# Altium PCB DoubleMain.PcbDoc (part 3 of 3)
Units mm, origin at the board's own origin, x right, y up, seen from the top; angles counter-clockwise.
Board outline 152.4 x 101.6 mm, 2 copper layers (Top Layer, Bottom Layer); 202 components, 0 nets, 741 pads, 650 vias.
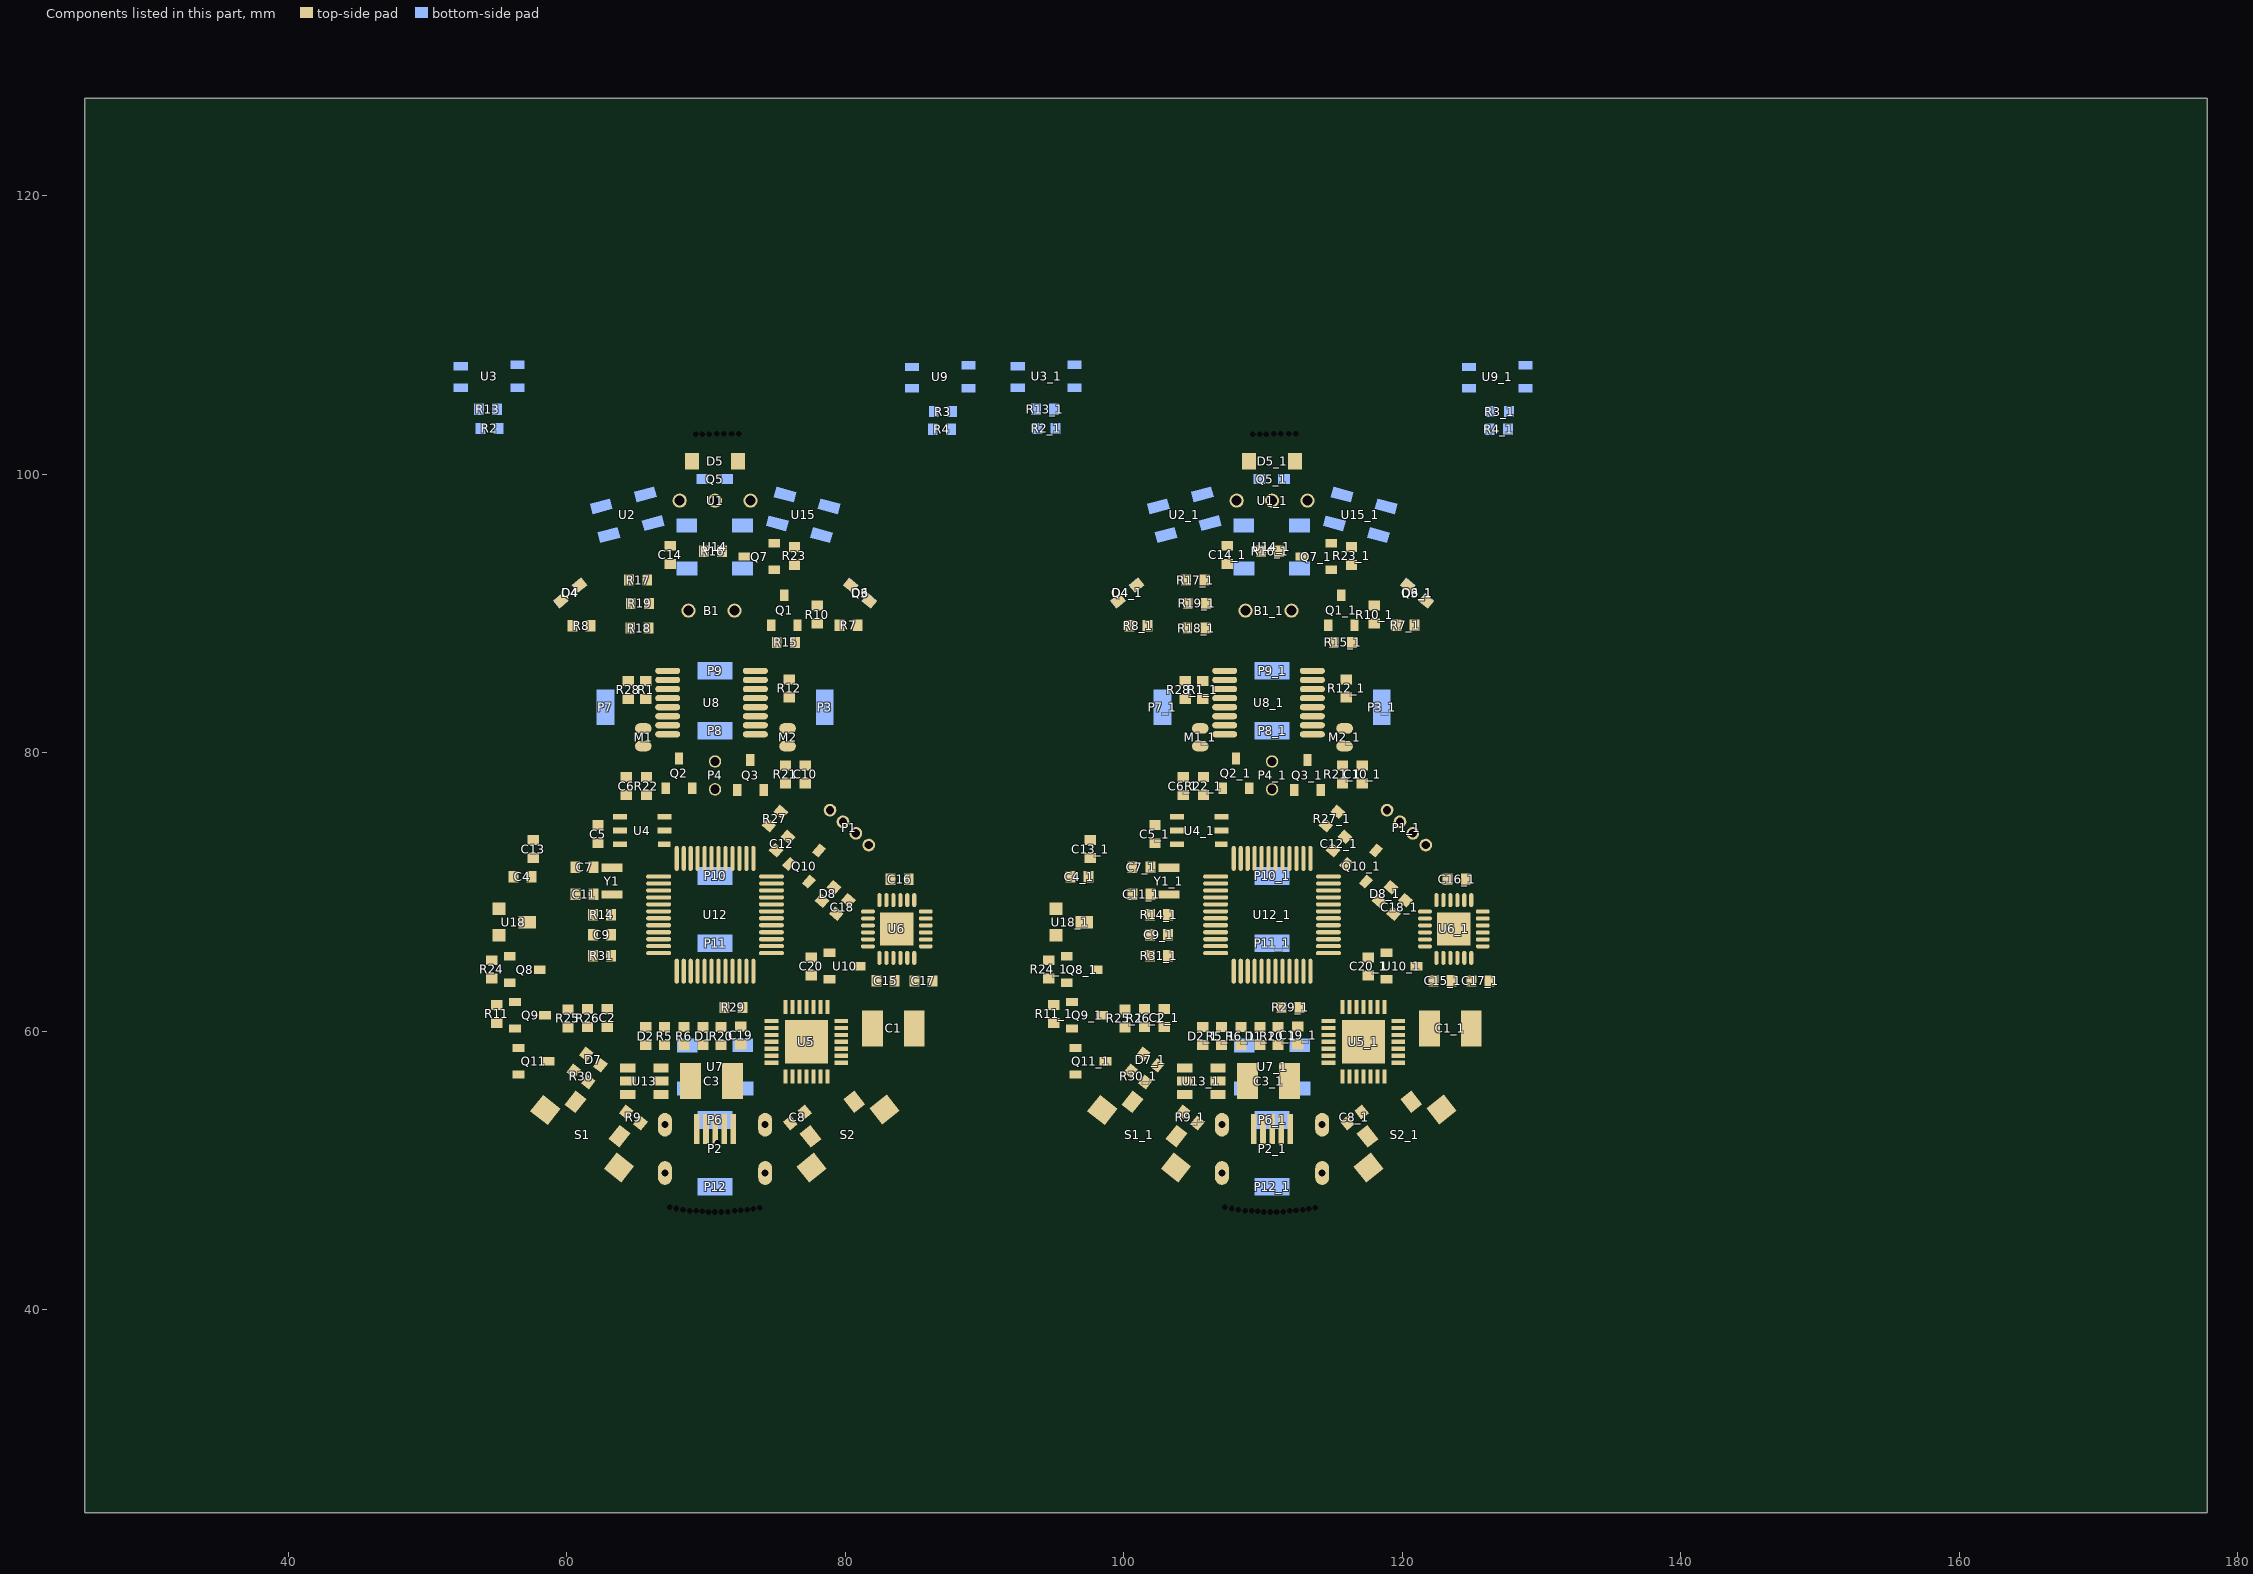
[diagram p3: the components of this part, seen from the top]

## Via types
v1: diameter 0.406, hole 0.254, Top Layer to Bottom Layer, 332 vias
v2: diameter 0.4, hole 0.254, Top Layer to Bottom Layer, 318 vias

## Nets (pads, with @x,y where several pads share a name; then routed paths per layer and width w, separated by ;. In a path a pad name is that pad's centre, name@x,y a point inside that pad or via, vN(x,y) a via of type N, cw(c..) or ccw(c..) an arc to the next point about the centre after c; other vN are vias at no path point) (continued)
copper on no net: (continued)
  Top Layer w0.508: 55.133,66.883 56.073,67.823 56.073,68.661 56.581,69.169 v1(57.775,69.169) 57.775,70.468 57.363,70.88 57.363,70.979 57.47,71.086 57.597,71.213 57.597,72.431 ; v1(80.686,61.727) 82.103,60.31 cw(c81.97,60.178) 82.158,60.178 ; 95.133,66.883 96.073,67.823 96.073,68.661 96.581,69.169 v1(97.775,69.169) 97.775,70.468 97.363,70.88 97.363,70.979 97.47,71.086 97.597,71.213 97.597,72.431 ; v1(120.686,61.727) 122.103,60.31 cw(c121.97,60.178) 122.158,60.178
  Bottom Layer w0.152: 52.009,106.012 v1(52.009,105.085) ccw(c52.806,105.085) 52.242,104.522 ccw(c52.806,105.085) 52.243,104.521 53.26,103.504 ; 52.692,107.663 52.768,107.739 52.819,107.739 53.752,106.806 cw(c52.917,105.971) 54.098,105.971 cw(c53.384,105.971) 53.889,105.466 ccw(c54.354,105) 53.696,105 53.696,104.653 ; 53.26,103.504 ccw(c53.798,104.043) 53.798,103.282 ; 54.996,104.653 55.416,105.074 v1(56.176,105.074) 56.176,105.937 56.454,106.215 ; 56.454,107.866 ccw(c57.535,107.866) 56.771,107.102 58.593,105.279 58.872,105.279 ccw(c60.346,107.347) 60.346,104.807 cw(c60.346,103.73) 61.107,104.493 ; v1(56.835,65.436) 56.962,65.436 cw(c56.962,64.025) 57.959,65.023 58.207,64.775 cw(c57.41,63.978) 58.537,63.978 58.537,62.276 ccw(c58.695,62.118) 58.472,62.118 58.472,60.635 ccw(c59.724,60.635) 58.545,60.212 ccw(c59.724,60.635) 58.839,59.749 v1(60.112,58.476) ; v1(57.419,56.85) 57.597,56.673 ; 57.572,59.162 v1(58.004,58.73) ; 57.571,59.162 cw(c58.614,60.204) 57.14,60.204 v1(57.14,62.007) cw(c58.612,62.007) 57.571,63.047 v1(58.054,63.531) ; 57.598,56.672 ccw(c58.64,57.715) 58.64,56.241 v1(62.931,56.241) ; v1(59.346,75.345) 61.118,77.117 ccw(c60.48,77.755) 61.382,77.755 cw(c61.957,77.755) 61.483,78.081 cw(c61.957,77.755) 61.55,78.161 61.745,78.356 62.693,79.304 62.693,79.836 cw(c63.593,79.836) 62.957,80.472 63.414,80.93 ; 59.523,73.433 cw(c60.064,73.973) 59.299,73.973 59.299,74.074 cw(c59.907,74.074) 59.477,74.503 63.16,78.186 63.355,78.381 ccw(c62.66,79.075) v1(63.642,79.075) ; 59.523,73.432 ccw(c60.187,74.096) 60.187,73.157 v1(60.628,73.157) ; 59.569,90.908 ccw(c60.05,91.39) 60.05,90.709 v1(61.255,90.709) v1(66.843,90.709) ; v1(59.578,89.261) 60.863,89.261 cw(c60.863,86.721) 62.659,88.517 63.252,87.924 cw(c62.862,87.534) 63.411,87.586 cw(c62.862,87.534) v1(63.414,87.534) ; v1(59.916,74.173) 59.944,74.173 64.593,78.822 ; 61.107,104.492 64.27,101.329 69.04,101.329 69.265,101.554 73.065,101.554 v1(74.538,100.081) ; v1(61.788,92.766) 64.506,92.766 ccw(c64.506,93.563) 65.069,92.999 v1(65.573,93.503) 65.192,93.884 ; v1(61.864,65.994) 63.756,65.994 cw(c63.756,65.532) 63.935,65.958 cw(c63.756,65.532) 64.083,65.859 ccw(c64.416,66.514) 64.336,65.784 ccw(c64.416,66.514) 64.416,65.779 64.76,65.779 ccw(c64.76,66.471) 65.122,65.882 ccw(c64.76,66.471) 65.249,65.982 65.372,66.105 cw(c65.928,65.274) 65.928,66.274 ccw(c65.928,67.5) 66.118,66.289 ccw(c65.928,67.5) 66.796,66.633 v1(67.986,67.823) ; v1(62.017,77.873) 62.949,78.806 ccw(c62.629,79.126) 63.082,79.126 63.082,79.304 cw(c63.691,79.304) 63.26,79.735 63.324,79.798 v1(63.566,80.041) ; 62.47,97.638 62.47,98.839 cw(c63.436,98.839) 62.753,99.522 63.084,99.853 ; 63.084,99.853 cw(c64.187,98.749) 64.187,100.31 65.128,100.31 cw(c65.128,98.315) 66.004,100.107 v1(66.106,100.005) ; 63.414,80.93 ccw(c62.756,81.587) 63.629,81.267 ccw(c62.756,81.587) 63.677,81.453 ccw(c62.756,81.587) 63.686,81.587 63.686,81.872 ; 63.693,81.872 63.693,86.289 67.275,89.87 ccw(c66.477,90.668) 67.605,90.668 67.605,91.598 ccw(c66.564,91.598) 67.596,91.733 ccw(c66.564,91.598) 67.3,92.334 ccw(c66.932,91.966) v1@66.932,92.487 ; v1(64.557,66.325) 64.404,66.477 61.525,66.477 ccw(c61.525,66.13) 61.28,66.375 ccw(c61.433,66.223) 61.217,66.223 61.217,64.291 61.226,64.282 61.226,62.921 61.128,62.823 61.128,62.217 61.179,62.167 61.179,61.778 61.243,61.713 61.243,61.51 61.836,60.918 63.642,59.111 63.862,58.892 cw(c63.472,58.501) 64.023,58.501 ccw(c64.988,58.501) 64.306,57.819 64.336,57.789 ccw(c65.376,58.83) 65.153,57.376 ccw(c65.376,58.83) 65.376,57.358 65.419,57.358 65.436,57.342 65.979,57.342 65.996,57.358 71.339,57.358 71.516,57.181 71.516,55.261 ccw(c71.777,55.261) 71.592,55.078 ccw(c71.899,55.384) 71.899,54.95 72.101,54.95 cw(c72.101,54.288) 72.569,54.756 72.583,54.742 cw(c72.062,54.221) 72.799,54.221 72.799,53.472 ccw(c73.934,53.472) 73.131,52.671 ; 64.593,78.822 ccw(c64.108,79.307) 64.794,79.307 64.794,80.523 ccw(c64.433,80.523) 64.688,80.778 ; v1(64.658,58.552) ccw(c65.333,58.552) 64.75,58.212 ccw(c65.333,58.552) 64.816,58.119 ccw(c65.333,58.552) 64.856,58.075 64.957,57.975 ccw(c65.434,58.452) 65.434,57.777 ccw(c65.878,59.308) 65.878,57.714 73.701,57.714 74.231,58.244 74.231,59.945 73.95,60.225 73.933,60.225 72.863,61.295 72.863,61.811 v1(73.442,62.391) ; v1(64.675,73.341) 64.557,73.223 64.557,72.337 65.141,71.753 65.141,70.973 65.571,70.543 65.571,69.963 65.056,69.449 v2@64.836,69.449 ; 64.688,80.778 64.37,81.096 cw(c65.147,81.872) 64.049,81.872 64.049,86.137 v1@66.97,89.058 ; 64.904,81.065 cw(c66.058,82.217) 64.427,82.217 64.427,86.012 64.554,86.139 64.559,86.139 65.958,87.537 v1(66.204,87.537) ; 64.905,81.064 65.057,80.912 ; v1(64.912,94.773) 64.912,94.558 ccw(c65.866,94.558) 65.191,93.884 ; v2@65.037,70.184 63.378,70.184 cw(c63.378,70.708) 63.008,70.337 cw(c63.492,70.822) 62.807,70.822 62.807,75.849 cw(c63.795,75.849) 63.096,76.548 64.989,78.44 ccw(c64.561,78.868) 65.166,78.868 65.166,78.977 65.17,78.981 65.17,79.307 65.166,79.31 65.166,80.649 ccw(c64.793,80.649) 65.057,80.912 ; v1(65.039,99.675) 65.66,99.054 65.66,98.493 ; v1(65.308,64.506) 65.308,62.705 65.319,62.694 ccw(c65.752,62.694) 65.446,62.388 ccw(c65.752,62.694) 65.752,62.261 70.753,62.261 cw(c70.753,61.827) 71.059,62.134 cw(c70.814,61.888) 71.161,61.888 71.161,61.585 v2(70.779,61.203) ; v1(66.407,64.699) 66.407,62.823 66.614,62.616 70.785,62.616 cw(c70.785,61.402) 70.8,62.616 71.195,62.616 cw(c71.195,62.27) 71.44,62.515 cw(c70.827,61.901) 71.593,62.308 cw(c70.827,61.901) 71.694,61.901 cw(c70.17,61.901) 71.424,61.035 71.327,60.938 cw(c70.78,61.485) 70.905,60.721 70.49,60.721 cw(c70.49,61.15) 70.187,60.847 cw(c70.534,61.194) v1(70.043,61.194) ; v1(66.843,92.487) ccw(c65.678,93.652) 66.932,92.583 ccw(c65.678,93.652) 67.182,92.979 ccw(c65.678,93.652) 67.325,93.652 67.325,98.227 cw(c68.044,98.227) 67.536,98.735 67.706,98.905 cw(c69.502,97.109) 69.502,99.649 69.752,99.649 ; v1(67.097,88.931) 67.757,89.591 ; 67.758,89.591 ccw(c67.267,90.082) 67.96,90.082 67.96,90.749 cw(c68.48,90.749) 68.112,91.116 cw(c68.479,90.749) 68.479,91.267 70.196,91.267 v1(70.653,91.725) ; 68.251,98.238 68.388,98.375 cw(c69.839,96.924) 69.839,98.977 70.78,98.977 ccw(c70.78,99.715) 71.302,99.193 71.321,99.211 ccw(c70.883,99.649) 71.502,99.649 ; 68.622,96.329 68.622,96.755 68.926,97.059 v1(68.926,97.313) ; 68.653,58.979 69.266,58.979 ccw(c69.266,61.519) 70.319,59.208 ccw(c69.266,61.519) 71.062,59.723 71.706,60.367 ccw(c70.752,61.321) 72.101,61.321 72.101,63.746 cw(c72.815,63.746) 72.156,64.022 cw(c72.815,63.746) 72.31,64.252 ccw(c71.303,64.76) 72.431,64.76 v1(72.431,66.553) ; v1(70.145,56.342) 70.17,56.342 70.653,55.86 v1(70.653,55.022) ; v1(70.196,95.357) cw(c72.464,95.357) 70.86,96.961 72.169,98.27 ccw(c71.813,98.626) 72.317,98.626 72.317,100.254 72.007,100.564 v1(70.323,100.564) ; v1(70.892,75.941) 72.649,75.941 v1(72.685,75.977) ; v1(71.669,91.471) 71.486,91.654 cw(c72.7,92.868) 71.162,92.105 cw(c72.7,92.868) 70.983,92.868 70.983,96.039 cw(c71.85,96.039) 71.236,96.652 72.685,98.1 73.193,98.1 ; v1(72.456,70.16) 72.456,70.363 74.285,72.192 74.938,72.192 75.25,71.88 75.25,67.798 75.497,67.551 78.222,67.551 79.068,66.706 79.51,66.706 79.815,67.01 80.856,67.01 81.016,66.85 81.016,65.791 80.102,64.877 79.365,64.877 79.136,64.648 v1(78.933,64.648) ; 72.613,93.641 72.613,93.229 ccw(c73.966,93.229) 73.009,92.272 73.565,91.716 cw(c72.012,90.163) 73.566,91.715 cw(c72.012,90.163) 74.209,90.163 74.209,86.391 72.613,84.795 72.613,79.349 ccw(c73.223,79.349) 72.791,78.918 75.555,76.154 cw(c73.899,74.499) 76.168,75.077 77.089,74.156 cw(c76.646,73.713) 77.273,73.713 77.273,73.078 cw(c76.788,73.078) 77.131,72.735 76.838,72.443 76.838,70.01 cw(c76.434,70.01) 76.72,69.724 ; 73.131,52.67 74.082,51.72 ccw(c75.074,52.712) 75.074,51.309 v1(76.465,51.309) ; 73.315,79.131 cw(c74.041,79.856) 73.015,79.856 73.015,84.638 74.615,86.238 74.615,90.564 ccw(c72.794,90.564) 74.082,91.852 cw(c74.266,92.036) 74.006,92.036 v1(74.006,93.296) ; 73.315,79.131 76.056,76.39 cw(c74.26,74.594) 76.666,75.408 ccw(c77.152,75.408) 76.808,75.064 77.68,74.192 77.68,74.174 77.658,74.152 77.658,72.736 77.237,72.316 77.214,72.316 77.214,69.148 cw(c76.795,69.148) 77.091,68.852 v1(76.8,68.56) ; v1(73.447,57.181) cw(c72.404,56.138) 73.723,56.797 cw(c72.404,56.138) 73.879,56.138 73.879,55.884 ccw(c74.795,55.884) 74.147,55.236 ccw(c74.971,56.06) v1(74.971,54.895) ; v1(73.98,74.199) 74.639,74.199 cw(c74.639,72.413) 75.901,73.677 cw(c74.639,72.413) 75.902,73.676 v1(76.596,72.981) ; v1(75.149,62.769) 75.323,62.594 77.768,62.594 v1(77.892,62.718) ; v1(75.225,101.25) 75.225,98.914 75.646,98.493 ; v2(75.25,63.962) 76.045,63.962 77.823,65.74 v2(80.124,65.74) v2@80.225,65.639 ; v2(75.885,64.699) 75.987,64.699 77.562,66.274 79.949,66.274 v2(80.203,66.528) ; v1(75.945,100.081) 76.219,100.356 v1(78.599,100.356) ; v2(76.183,63.073) v2(77.206,63.073) v2@77.257,63.124 ; v1(76.241,69.616) 76.46,69.616 ccw(c76.46,69.983) 76.719,69.723 ; v1(77.272,98.721) cw(c77.272,97.562) 78.091,98.382 78.835,97.638 ; v1(77.993,91.801) 79.836,91.801 ccw(c79.836,92.594) 80.397,92.033 ; v1(78.171,88.219) cw(c78.294,88.097) 78.294,88.27 v1(79.721,88.27) ; v1(78.191,73.931) cw(c78.402,74.142) 78.104,74.142 78.104,76.329 cw(c78.704,76.329) 78.28,76.753 v1(78.769,77.242) ; v1(78.355,94.214) 78.808,93.76 ccw(c79.637,94.589) 79.637,93.416 cw(c79.637,90.876) 81.434,92.673 81.942,92.164 cw(c81.561,91.783) 82.1,91.783 cw(c80.862,91.783) 81.737,90.908 ; 84.784,106.172 84.389,105.777 v1(84.389,105.652) ccw(c85.775,105.652) 84.795,104.672 86.279,103.188 ; 84.784,107.585 84.82,107.62 85.73,107.62 cw(c85.73,105.799) 87.018,107.087 87.349,106.756 ; v1(85.405,104.89) 85.496,104.799 ccw(c86.381,105.684) 86.381,104.433 ; 87.35,106.755 cw(c86.549,105.956) 87.681,105.956 87.681,104.433 ; v1(88.453,106.414) 88.771,106.096 ; 88.848,107.712 89.102,107.712 cw(c87.358,105.967) 89.103,107.711 cw(c87.358,105.967) 89.558,107.083 89.636,107.005 89.636,105.615 89.139,105.118 v1(88.936,105.118) ; 92.009,106.012 v1(92.009,105.085) ccw(c92.806,105.085) 92.242,104.522 ccw(c92.806,105.085) 92.243,104.521 93.26,103.504 ; 92.692,107.663 92.768,107.739 92.819,107.739 93.752,106.806 cw(c92.917,105.971) 94.098,105.971 cw(c93.384,105.971) 93.889,105.466 ccw(c94.354,105) 93.696,105 93.696,104.653 ; 93.26,103.504 ccw(c93.798,104.043) 93.798,103.282 ; 94.996,104.653 95.416,105.074 v1(96.175,105.074) 96.175,105.937 96.454,106.215 ; 96.454,107.866 ccw(c97.535,107.866) 96.771,107.102 98.593,105.279 98.872,105.279 ccw(c100.346,107.347) 100.346,104.807 cw(c100.346,103.73) 101.107,104.493 ; v1(96.835,65.436) 96.962,65.436 cw(c96.962,64.025) 97.959,65.023 98.207,64.775 cw(c97.41,63.978) 98.537,63.978 98.537,62.276 ccw(c98.695,62.118) 98.472,62.118 98.472,60.635 ccw(c99.724,60.635) 98.545,60.212 ccw(c99.724,60.635) 98.839,59.749 v1(100.112,58.476) ; v1(97.419,56.85) 97.597,56.673 ; 97.572,59.162 v1(98.004,58.73) ; 97.571,59.162 cw(c98.614,60.204) 97.14,60.204 v1(97.14,62.007) cw(c98.612,62.007) 97.571,63.047 v1(98.054,63.531) ; 97.598,56.672 ccw(c98.64,57.715) 98.64,56.241 v1(102.931,56.241) ; v1(99.346,75.345) 101.118,77.117 ccw(c100.48,77.755) 101.382,77.755 cw(c101.957,77.755) 101.483,78.081 cw(c101.957,77.755) 101.55,78.161 101.745,78.356 102.693,79.304 102.693,79.836 cw(c103.593,79.836) 102.957,80.472 103.414,80.93 ; 99.523,73.433 cw(c100.064,73.973) 99.299,73.973 99.299,74.074 cw(c99.907,74.074) 99.477,74.503 103.16,78.186 103.355,78.381 ccw(c102.66,79.075) v1(103.642,79.075) ; 99.523,73.432 ccw(c100.187,74.096) 100.187,73.157 v1(100.628,73.157) ; 99.569,90.908 ccw(c100.05,91.39) 100.05,90.709 v1(101.255,90.709) v1(106.843,90.709) ; v1(99.578,89.261) 100.863,89.261 cw(c100.863,86.721) 102.659,88.517 103.252,87.924 cw(c102.862,87.534) 103.411,87.586 cw(c102.862,87.534) v1(103.414,87.534) ; v1(99.916,74.173) 99.944,74.173 104.593,78.822 ; 101.107,104.492 104.27,101.329 109.04,101.329 109.265,101.554 113.065,101.554 v1(114.538,100.081) ; v1(101.788,92.766) 104.506,92.766 ccw(c104.506,93.563) 105.069,92.999 v1(105.573,93.503) 105.192,93.884 ; v1(101.864,65.994) 103.756,65.994 cw(c103.756,65.532) 103.935,65.958 cw(c103.756,65.532) 104.083,65.859 ccw(c104.416,66.514) 104.336,65.784 ccw(c104.416,66.514) 104.416,65.779 104.76,65.779 ccw(c104.76,66.471) 105.122,65.882 ccw(c104.76,66.471) 105.249,65.982 105.372,66.105 cw(c105.928,65.274) 105.928,66.274 ccw(c105.928,67.5) 106.118,66.289 ccw(c105.928,67.5) 106.796,66.633 v1(107.986,67.823) ; v1(102.017,77.873) 102.949,78.806 ccw(c102.629,79.126) 103.082,79.126 103.082,79.304 cw(c103.691,79.304) 103.26,79.735 103.324,79.798 v1(103.566,80.041) ; 102.47,97.638 102.47,98.839 cw(c103.436,98.839) 102.753,99.522 103.084,99.853 ; 103.084,99.853 cw(c104.187,98.749) 104.187,100.31 105.128,100.31 cw(c105.128,98.315) 106.004,100.107 v1(106.106,100.005) ; 103.414,80.93 ccw(c102.756,81.587) 103.629,81.267 ccw(c102.756,81.587) 103.677,81.453 ccw(c102.756,81.587) 103.686,81.587 103.686,81.872 ; 103.693,81.872 103.693,86.289 107.275,89.87 ccw(c106.477,90.668) 107.605,90.668 107.605,91.598 ccw(c106.564,91.598) 107.596,91.733 ccw(c106.564,91.598) 107.3,92.334 ccw(c106.932,91.966) v1@106.932,92.487 ; v1(104.557,66.325) 104.404,66.477 101.525,66.477 ccw(c101.525,66.13) 101.28,66.375 ccw(c101.433,66.223) 101.217,66.223 101.217,64.291 101.226,64.282 101.226,62.921 101.128,62.823 101.128,62.217 101.179,62.167 101.179,61.778 101.243,61.713 101.243,61.51 101.836,60.918 103.642,59.111 103.862,58.892 cw(c103.472,58.501) 104.023,58.501 ccw(c104.988,58.501) 104.306,57.819 104.336,57.789 ccw(c105.376,58.83) 105.153,57.376 ccw(c105.376,58.83) 105.376,57.358 105.419,57.358 105.436,57.342 105.979,57.342 105.996,57.358 111.339,57.358 111.516,57.181 111.516,55.261 ccw(c111.777,55.261) 111.592,55.078 ccw(c111.899,55.384) 111.899,54.95 112.101,54.95 cw(c112.101,54.288) 112.569,54.756 112.583,54.742 cw(c112.062,54.221) 112.799,54.221 112.799,53.472 ccw(c113.934,53.472) 113.131,52.671 ; 104.593,78.822 ccw(c104.108,79.307) 104.794,79.307 104.794,80.523 ccw(c104.433,80.523) 104.688,80.778 ; v1(104.658,58.552) ccw(c105.333,58.552) 104.75,58.212 ccw(c105.333,58.552) 104.816,58.119 ccw(c105.333,58.552) 104.856,58.075 104.957,57.975 ccw(c105.434,58.452) 105.433,57.777 ccw(c105.878,59.308) 105.878,57.714 113.701,57.714 114.231,58.244 114.231,59.945 113.95,60.225 113.933,60.225 112.863,61.295 112.863,61.811 v1(113.442,62.391) ; v1(104.675,73.341) 104.557,73.223 104.557,72.337 105.141,71.753 105.141,70.973 105.571,70.543 105.571,69.963 105.056,69.449 v2@104.836,69.449 ; 104.688,80.778 104.37,81.096 cw(c105.147,81.872) 104.049,81.872 104.049,86.137 v1@106.97,89.058 ; 104.905,81.064 105.057,80.912 ; 104.904,81.065 cw(c106.058,82.217) 104.427,82.217 104.427,86.012 104.554,86.139 104.559,86.139 105.958,87.537 v1(106.204,87.537) ; v1(104.912,94.773) 104.912,94.558 ccw(c105.866,94.558) 105.191,93.884 ; v2@105.037,70.184 103.378,70.184 cw(c103.378,70.708) 103.008,70.337 cw(c103.492,70.822) 102.807,70.822 102.807,75.849 cw(c103.795,75.849) 103.096,76.548 104.989,78.44 ccw(c104.561,78.868) 105.166,78.868 105.166,78.977 105.17,78.981 105.17,79.307 105.166,79.31 105.166,80.649 ccw(c104.793,80.649) 105.057,80.912 ; v1(105.039,99.675) 105.66,99.054 105.66,98.493 ; v1(105.308,64.506) 105.308,62.705 105.319,62.694 ccw(c105.752,62.694) 105.446,62.388 ccw(c105.752,62.694) 105.752,62.261 110.753,62.261 cw(c110.753,61.827) 111.059,62.134 cw(c110.814,61.888) 111.161,61.888 111.161,61.585 v2(110.779,61.203) ; v1(106.407,64.699) 106.407,62.823 106.614,62.616 110.785,62.616 cw(c110.785,61.402) 110.8,62.616 111.195,62.616 cw(c111.195,62.27) 111.44,62.515 cw(c110.827,61.901) 111.593,62.308 cw(c110.827,61.901) 111.694,61.901 cw(c110.17,61.901) 111.424,61.035 111.327,60.938 cw(c110.78,61.485) 110.905,60.721 110.49,60.721 cw(c110.49,61.15) 110.187,60.847 cw(c110.534,61.194) v1(110.043,61.194) ; v1(106.843,92.487) ccw(c105.678,93.652) 106.932,92.583 ccw(c105.678,93.652) 107.182,92.979 ccw(c105.678,93.652) 107.325,93.652 107.325,98.227 cw(c108.044,98.227) 107.536,98.735 107.706,98.905 cw(c109.502,97.109) 109.502,99.649 109.752,99.649 ; v1(107.097,88.931) 107.757,89.591 ; 107.758,89.591 ccw(c107.267,90.082) 107.96,90.082 107.96,90.749 cw(c108.48,90.749) 108.112,91.116 cw(c108.479,90.749) 108.479,91.267 110.196,91.267 v1(110.653,91.725) ; 108.251,98.238 108.388,98.375 cw(c109.839,96.924) 109.839,98.977 110.78,98.977 ccw(c110.78,99.715) 111.302,99.193 111.321,99.211 ccw(c110.883,99.649) 111.502,99.649 ; 108.622,96.329 108.622,96.755 108.926,97.059 v1(108.926,97.313) ; 108.653,58.979 109.266,58.979 ccw(c109.266,61.519) 110.319,59.208 ccw(c109.266,61.519) 111.062,59.723 111.706,60.367 ccw(c110.752,61.321) 112.101,61.321 112.101,63.746 cw(c112.815,63.746) 112.156,64.022 cw(c112.815,63.746) 112.31,64.252 ccw(c111.303,64.76) 112.431,64.76 v1(112.431,66.553) ; v1(110.145,56.342) 110.17,56.342 110.653,55.86 v1(110.653,55.022) ; v1(110.196,95.357) cw(c112.464,95.357) 110.86,96.961 112.169,98.27 ccw(c111.813,98.626) 112.316,98.626 112.316,100.254 112.007,100.564 v1(110.323,100.564) ; v1(110.892,75.941) 112.649,75.941 v1(112.685,75.977) ; v1(111.669,91.471) 111.486,91.654 cw(c112.7,92.868) 111.162,92.105 cw(c112.7,92.868) 110.983,92.868 110.983,96.039 cw(c111.85,96.039) 111.236,96.652 112.685,98.1 113.193,98.1 ; v1(112.456,70.16) 112.456,70.363 114.285,72.192 114.938,72.192 115.25,71.88 115.25,67.798 115.497,67.551 118.222,67.551 119.068,66.706 119.51,66.706 119.815,67.01 120.856,67.01 121.016,66.85 121.016,65.791 120.102,64.877 119.365,64.877 119.136,64.648 v1(118.933,64.648) ; 112.613,93.641 112.613,93.229 ccw(c113.966,93.229) 113.009,92.272 113.565,91.716 cw(c112.012,90.163) 113.566,91.715 cw(c112.012,90.163) 114.209,90.163 114.209,86.391 112.613,84.795 112.613,79.349 ccw(c113.223,79.349) 112.791,78.918 115.555,76.154 cw(c113.899,74.499) 116.168,75.077 117.089,74.156 cw(c116.646,73.713) 117.273,73.713 117.273,73.078 cw(c116.788,73.078) 117.131,72.735 116.838,72.443 116.838,70.01 cw(c116.434,70.01) 116.72,69.724 ; 113.131,52.67 114.082,51.72 ccw(c115.074,52.712) 115.074,51.309 v1(116.465,51.309) ; 113.315,79.131 cw(c114.041,79.856) 113.015,79.856 113.015,84.638 114.615,86.238 114.615,90.564 ccw(c112.794,90.564) 114.082,91.852 cw(c114.266,92.036) 114.006,92.036 v1(114.006,93.296) ; 113.315,79.131 116.056,76.39 cw(c114.26,74.594) 116.666,75.408 ccw(c117.152,75.408) 116.808,75.064 117.68,74.192 117.68,74.174 117.658,74.152 117.658,72.736 117.237,72.316 117.214,72.316 117.214,69.148 cw(c116.795,69.148) 117.091,68.852 v1(116.8,68.56) ; v1(113.447,57.181) cw(c112.404,56.138) 113.723,56.797 cw(c112.404,56.138) 113.879,56.138 113.879,55.884 ccw(c114.795,55.884) 114.147,55.236 ccw(c114.971,56.06) v1(114.971,54.895) ; v1(113.98,74.199) 114.639,74.199 cw(c114.639,72.413) 115.901,73.677 cw(c114.639,72.413) 115.902,73.676 v1(116.596,72.981) ; v1(115.149,62.769) 115.323,62.594 117.768,62.594 v1(117.892,62.718) ; v1(115.225,101.25) 115.225,98.914 115.646,98.493 ; v2(115.25,63.962) 116.045,63.962 117.823,65.74 v2(120.124,65.74) v2@120.225,65.639 ; v2(115.885,64.699) 115.987,64.699 117.562,66.274 119.949,66.274 v2(120.203,66.528) ; v1(115.945,100.081) 116.219,100.356 v1(118.599,100.356) ; v2(116.183,63.073) v2(117.206,63.073) v2@117.257,63.124 ; v1(116.241,69.616) 116.46,69.616 ccw(c116.46,69.983) 116.719,69.723 ; v1(117.272,98.721) cw(c117.272,97.562) 118.091,98.382 118.835,97.638 ; v1(117.993,91.801) 119.836,91.801 ccw(c119.836,92.594) 120.397,92.033 ; v1(118.171,88.219) cw(c118.294,88.097) 118.294,88.27 v1(119.721,88.27) ; v1(118.191,73.931) cw(c118.402,74.142) 118.104,74.142 118.104,76.329 cw(c118.704,76.329) 118.28,76.753 v1(118.769,77.242) ; v1(118.355,94.214) 118.808,93.76 ccw(c119.637,94.589) 119.637,93.416 cw(c119.637,90.876) 121.434,92.673 121.942,92.164 cw(c121.561,91.783) 122.1,91.783 cw(c120.862,91.783) 121.737,90.908 ; 124.784,106.172 124.389,105.777 v1(124.389,105.652) ccw(c125.775,105.652) 124.795,104.672 126.279,103.188 ; 124.784,107.585 124.82,107.62 125.73,107.62 cw(c125.73,105.799) 127.018,107.087 127.349,106.756 ; v1(125.405,104.89) 125.496,104.799 ccw(c126.381,105.684) 126.381,104.433 ; 127.35,106.755 cw(c126.549,105.956) 127.681,105.956 127.681,104.433 ; v1(128.453,106.414) 128.771,106.096 ; 128.848,107.712 129.102,107.712 cw(c127.358,105.967) 129.103,107.711 cw(c127.358,105.967) 129.558,107.083 129.636,107.005 129.636,105.615 129.139,105.118 v1(128.936,105.118)
  Bottom Layer w0.203: v1(62.068,55.555) 62.88,54.742 ; 62.881,54.742 ccw(c63.494,55.355) 63.494,54.488 66.055,54.488 v1(66.081,54.514) ; v1(85.674,69.373) 85.994,69.052 v2(85.994,64.978) ; v1(102.068,55.555) 102.88,54.742 ; 102.881,54.742 ccw(c103.494,55.355) 103.494,54.488 106.055,54.488 v1(106.081,54.514) ; v1(125.674,69.373) 125.994,69.052 v2(125.994,64.978)
  Bottom Layer w0.254: 55.098,103.282 55.931,104.115 v1(55.931,104.348) ; 60.909,92.033 ccw(c60.909,92.386) 61.159,92.136 v1(61.788,92.766) ; v1(61.661,62.438) 61.661,61.895 62.694,60.862 62.694,60.808 64.08,59.423 ; v1@61.712,59.416 61.712,59.987 ccw(c61.006,59.987) 61.706,60.082 ccw(c61.006,59.987) 61.505,60.486 61.149,60.842 cw(c62.089,61.783) 60.76,61.783 60.76,62.011 60.721,62.049 60.721,62.991 60.76,63.029 60.76,63.216 ccw(c59.541,63.216) 60.403,64.078 57.808,66.673 cw(c59.604,68.469) 57.193,67.668 cw(c59.604,68.469) 57.064,68.469 57.064,69.36 cw(c57.584,69.36) 57.216,69.728 cw(c57.584,69.36) 57.584,69.881 61.753,69.881 cw(c61.753,68.753) 62.55,69.55 ccw(c64.206,71.206) 64.206,68.865 65.386,68.865 ccw(c65.386,70.235) 66.355,69.266 ; v1(61.763,59.416) 62.957,58.222 cw(c61.73,56.996) 63.465,56.996 63.465,55.58 v1(63.287,55.403) ; 64.08,59.422 ccw(c64.709,60.052) 64.709,59.162 cw(c64.709,58.529) 65.156,58.977 66.013,58.12 71.618,58.12 72.488,58.99 72.645,58.99 ; v1(65.318,83.091) v1@65.319,83.089 ; 66.356,69.266 ccw(c65.792,69.83) 66.589,69.83 v1(66.589,76.18) ; 67.556,71.271 cw(c68.484,72.198) 67.173,72.198 67.173,77.106 ccw(c64.743,77.106) 66.461,78.824 66.461,81.595 65.567,82.49 cw(c66.166,83.089) v1@65.319,83.089 ; 67.557,71.271 v1(68.949,69.878) ; v1(67.602,99.576) 67.706,99.681 67.967,99.681 69.434,101.148 72.71,101.148 v1(73.091,100.767) ; v1(67.96,76.231) 67.96,76.434 68.897,77.371 70.653,77.371 ; 68.251,98.238 cw(c68.251,96.45) 69.515,97.714 69.592,97.637 cw(c69.115,97.16) 69.789,97.16 69.789,95.779 69.535,95.525 69.535,94.759 68.63,93.854 68.63,93.218 68.749,93.337 v1(68.749,92.359) ; 68.367,86.899 68.395,86.899 ; 68.367,86.899 ccw(c67.445,87.821) 68.749,87.821 68.749,90.201 ; v1(73.447,86.899) 68.395,86.899 ; v1(76.63,95.755) 76.63,95.552 76.919,95.263 cw(c75.123,93.466) 77.663,93.466 v1(77.663,92.893) ; 77.663,93.522 v1(78.355,94.214) ; 81.422,61.727 cw(c81.054,61.359) 81.575,61.359 81.575,57.405 v1(81.505,57.335) ; 87.579,103.188 88.301,103.188 v1(88.758,103.645) ; 95.098,103.282 95.931,104.115 v1(95.931,104.348) ; 100.909,92.033 ccw(c100.909,92.386) 101.159,92.136 v1(101.788,92.766) ; v1(101.661,62.438) 101.661,61.895 102.694,60.862 102.694,60.808 104.08,59.423 ; v1@101.712,59.416 101.712,59.987 ccw(c101.006,59.987) 101.706,60.082 ccw(c101.006,59.987) 101.505,60.486 101.149,60.842 cw(c102.089,61.783) 100.759,61.783 100.759,62.011 100.721,62.049 100.721,62.991 100.759,63.029 100.759,63.216 ccw(c99.541,63.216) 100.403,64.078 97.808,66.673 cw(c99.604,68.469) 97.193,67.668 cw(c99.604,68.469) 97.064,68.469 97.064,69.36 cw(c97.584,69.36) 97.216,69.728 cw(c97.584,69.36) 97.584,69.881 101.753,69.881 cw(c101.753,68.753) 102.55,69.55 ccw(c104.206,71.206) 104.206,68.865 105.386,68.865 ccw(c105.386,70.235) 106.355,69.266 ; v1(101.763,59.416) 102.957,58.222 cw(c101.73,56.996) 103.465,56.996 103.465,55.58 v1(103.287,55.403) ; 104.08,59.422 ccw(c104.709,60.052) 104.709,59.162 cw(c104.709,58.529) 105.156,58.977 106.013,58.12 111.618,58.12 112.488,58.99 112.645,58.99 ; v1(105.318,83.091) v1@105.319,83.089 ; 106.356,69.266 ccw(c105.792,69.83) 106.589,69.83 v1(106.589,76.18) ; 107.556,71.271 cw(c108.484,72.198) 107.173,72.198 107.173,77.106 ccw(c104.743,77.106) 106.461,78.824 106.461,81.595 105.567,82.49 cw(c106.166,83.089) v1@105.319,83.089 ; 107.557,71.271 v1(108.949,69.878) ; v1(107.602,99.576) 107.706,99.681 107.967,99.681 109.434,101.148 112.71,101.148 v1(113.091,100.767) ; v1(107.96,76.231) 107.96,76.434 108.897,77.371 110.653,77.371 ; 108.251,98.238 cw(c108.251,96.45) 109.515,97.714 109.592,97.637 cw(c109.115,97.16) 109.789,97.16 109.789,95.779 109.535,95.525 109.535,94.759 108.63,93.854 108.63,93.218 108.749,93.337 v1(108.749,92.359) ; 108.367,86.899 108.395,86.899 ; 108.367,86.899 ccw(c107.445,87.821) 108.749,87.821 108.749,90.201 ; v1(113.447,86.899) 108.395,86.899 ; v1(116.63,95.755) 116.63,95.552 116.919,95.263 cw(c115.123,93.466) 117.663,93.466 v1(117.663,92.893) ; 117.663,93.522 v1(118.355,94.214) ; 121.422,61.727 cw(c121.054,61.359) 121.575,61.359 121.575,57.405 v1(121.505,57.335) ; 127.579,103.188 128.301,103.188 v1(128.758,103.645) ; v1@65.319,83.089 65.319,83.804 cw(c67.27,83.804) 65.89,85.184 67.046,86.34 cw(c68.395,84.991) 68.395,86.899 ; v1@105.319,83.089 105.319,83.804 cw(c107.27,83.804) 105.89,85.184 107.046,86.34 cw(c108.395,84.991) 108.395,86.899
  Bottom Layer w0.381: v1(61.661,62.438) ccw(c61.048,63.052) 61.915,63.052 61.915,64.096 cw(c63.115,64.096) 62.266,64.944 cw(c63.084,64.127) 63.084,65.283 v1(63.871,65.283) 63.895,65.307 cw(c63.988,63.526) 63.988,65.309 64.016,65.309 64.039,65.286 64.548,65.286 ; 64.627,65.287 65.123,65.287 65.146,65.309 65.299,65.309 ccw(c65.299,67.849) 65.377,65.311 ccw(c65.299,67.849) 66.976,65.942 ccw(c65.299,67.849) 67.095,66.053 67.81,66.769 68.425,67.384 cw(c68.966,66.842) v1(68.966,67.608) ; v1(101.661,62.438) ccw(c101.048,63.052) 101.915,63.052 101.915,64.096 cw(c103.115,64.096) 102.266,64.944 cw(c103.084,64.127) 103.084,65.283 v1(103.871,65.283) 103.895,65.307 cw(c103.988,63.526) 103.988,65.309 104.016,65.309 104.039,65.286 104.548,65.286 ; 104.627,65.287 105.123,65.287 105.146,65.309 105.299,65.309 ccw(c105.299,67.849) 105.377,65.311 ccw(c105.299,67.849) 106.976,65.942 ccw(c105.299,67.849) 107.095,66.053 107.81,66.769 108.425,67.384 cw(c108.966,66.842) v1(108.966,67.608)
  Bottom Layer w0.508: v1(57.775,69.169) 57.775,69.161 58.588,68.348 61.137,68.348 62.377,67.108 65.122,67.108 ccw(c65.122,69.619) 66.898,67.844 67.316,68.262 cw(c68.872,66.705) 68.872,68.907 71.449,68.907 ccw(c71.449,71.447) 73.245,69.651 74.717,71.122 ; v1(74.717,71.659) 74.717,71.122 ; v1(77.983,66.974) 74.896,66.974 74.717,67.153 74.717,67.444 ; v1@83.466,62.424 cw(c81.783,64.108) 81.783,61.727 81.422,61.727 v1(80.686,61.727) 80.686,61.68 75.702,61.68 cw(c75.702,63.23) 74.606,62.134 cw(c76.763,63.476) 74.223,63.476 v1(74.223,64.307) 74.223,66.251 cw(c75.909,66.251) 74.292,66.728 cw(c75.909,66.251) 74.717,67.444 ; v1(97.775,69.169) 97.775,69.161 98.588,68.348 101.137,68.348 102.377,67.108 105.122,67.108 ccw(c105.122,69.619) 106.898,67.844 107.316,68.262 cw(c108.872,66.705) 108.872,68.907 111.449,68.907 ccw(c111.449,71.447) 113.245,69.651 114.717,71.122 ; v1(114.717,71.659) 114.717,71.122 ; v1(117.983,66.974) 114.896,66.974 114.717,67.153 114.717,67.444 ; v1@123.466,62.424 cw(c121.783,64.108) 121.783,61.727 121.422,61.727 v1(120.686,61.727) 120.686,61.68 115.702,61.68 cw(c115.702,63.23) 114.606,62.134 cw(c116.763,63.476) 114.223,63.476 v1(114.223,64.307) 114.223,66.251 cw(c115.909,66.251) 114.292,66.728 cw(c115.909,66.251) 114.717,67.444 ; 74.717,67.444 74.717,71.122 ; 114.717,67.444 114.717,71.122
  other v1: 77.582,50.196 117.582,50.196 63.795,50.246 103.795,50.246 70.272,51.212 71.034,51.212 110.272,51.212 111.034,51.212 64.912,51.44 104.912,51.44 62.474,53.752 102.474,53.752 79.213,53.98 119.213,53.98 82.826,54.367 122.826,54.367 77.765,55.149 117.765,55.149 57.191,55.428 97.191,55.428 56.302,66.655 96.302,66.655 79.289,67.239 119.289,67.239 60.747,67.595 100.747,67.595 81.575,69.881 121.575,69.881 81.905,70.871 121.905,70.871 64.455,71.684 104.455,71.684 81.6,71.989 121.6,71.989 84.115,72.878 124.115,72.878 61.128,73.818 101.128,73.818 78.796,74.332 118.796,74.332 82.489,75.164 122.489,75.164 73.98,76.18 113.98,76.18 80.483,76.942 120.483,76.942 74.742,80.168 114.742,80.168 77.384,82.352 117.384,82.352 70.145,84.359 110.145,84.359 69.002,86.264 109.002,86.264 64.531,87.965 104.531,87.965 70.475,88.778 72.634,88.778 110.475,88.778 112.634,88.778 68.138,89.108 108.138,89.108 69.916,90.734 109.916,90.734 72.964,91.267 112.964,91.267 62.423,91.75 102.423,91.75 79.238,92.741 119.238,92.741 70.119,93.325 110.119,93.325 61.483,94.087 101.483,94.087 79.848,94.112 119.848,94.112 68.951,95.001 108.951,95.001 65.852,95.204 105.852,95.204 73.904,96.83 113.904,96.83 74.158,98.684 114.158,98.684 79.04,98.757 119.04,98.757 74.001,99.471 114.001,99.471 64.252,99.624 104.252,99.624 76.876,99.776 116.876,99.776 66.894,100.462 106.894,100.462 62.677,100.996 102.677,100.996 64.303,103.155 77.003,103.155 104.303,103.155 117.003,103.155 63.033,104.425 78.273,104.425 103.033,104.425 118.273,104.425 61.763,105.695 79.543,105.695 101.763,105.695 119.543,105.695 86.65,106.541 126.65,106.541 54.27,107.269 94.27,107.269 87.615,107.811 127.615,107.811 86.98,108.522 126.98,108.522 53.381,108.59 93.381,108.59 88.225,108.624 128.225,108.624 54.575,108.666 94.575,108.666
  other v2: 73.167,48.291 113.167,48.291 68.443,48.316 108.443,48.316 66.055,48.646 106.055,48.646 70.653,48.799 110.653,48.799 75.834,48.875 115.834,48.875 65.37,49.23 105.37,49.23 68.646,49.383 108.646,49.383 75.631,49.865 115.631,49.865 65.751,50.272 105.751,50.272 66.513,51.542 106.513,51.542 60.645,51.745 100.645,51.745 80.61,51.796 120.61,51.796 75.301,52.101 115.301,52.101 66.005,52.253 106.005,52.253 68.443,54.056 108.443,54.056 61.636,54.107 101.636,54.107 58.435,54.285 98.435,54.285 76.063,55.301 116.063,55.301 59.578,55.403 99.578,55.403 83.785,55.657 123.785,55.657 74.59,55.86 114.59,55.86 82.261,56.19 122.261,56.19 80.152,56.241 120.152,56.241 58.867,56.723 98.867,56.723 85.055,56.927 125.055,56.927 82.723,57.154 122.723,57.154 84.166,57.663 124.166,57.663 55.667,57.79 56.53,57.79 95.667,57.79 96.53,57.79 85.715,57.841 125.715,57.841 76.368,58.07 77.003,58.07 77.638,58.07 78.273,58.07 116.368,58.07 117.003,58.07 117.638,58.07 118.273,58.07 76.368,58.705 77.003,58.705 77.638,58.705 78.273,58.705 116.368,58.705 117.003,58.705 117.638,58.705 118.273,58.705 59.045,58.73 99.045,58.73 55.235,59.136 95.235,59.136 62.779,59.162 102.779,59.162 76.368,59.34 77.003,59.34 77.638,59.34 78.273,59.34 116.368,59.34 117.003,59.34 117.638,59.34 118.273,59.34 73.752,59.746 113.752,59.746 76.368,59.975 77.003,59.975 77.638,59.975 78.273,59.975 116.368,59.975 117.003,59.975 117.638,59.975 118.273,59.975 63.998,60.254 103.998,60.254 56.378,61.143 96.378,61.143 64.018,61.44 104.018,61.44 70.475,61.753 110.475,61.753 73.574,61.778 113.574,61.778 86.553,62.337 126.553,62.337 84.978,62.438 124.978,62.438 81.245,62.692 121.245,62.692 54.6,62.845 94.6,62.845 79.822,62.87 119.822,62.87 73.244,62.997 113.244,62.997 75.53,63.404 115.53,63.404 81.092,63.48 121.092,63.48 79.721,63.708 119.721,63.708 56.048,64.496 96.048,64.496 87.087,64.902 127.087,64.902 60.696,65.359 100.696,65.359 68.367,65.867 108.367,65.867 73.091,65.969 113.091,65.969 69.89,66.156 71.339,66.172 109.89,66.156 111.339,66.172 80.508,67.493 120.508,67.493 70.297,67.645 110.297,67.645 72.151,67.722 112.151,67.722 64.074,67.772 104.074,67.772 73.016,68.094 113.016,68.094 69.738,68.128 109.738,68.128 70.704,68.179 110.704,68.179 77.638,68.433 117.638,68.433 60.544,69.017 100.544,69.017 70.177,69.688 110.177,69.688 71.586,69.737 111.586,69.737 68.138,69.779 108.138,69.779 55.311,69.957 95.311,69.957 56.734,70.109 96.734,70.109 63.388,70.719 103.388,70.719 80.66,70.77 120.66,70.77 60.62,70.795 100.62,70.795 61.966,70.846 101.966,70.846 77.819,71.8 117.819,71.8 65.928,71.862 105.928,71.862 78.45,72.074 118.45,72.074 84.978,72.167 124.978,72.167 56.454,72.446 96.454,72.446 83.023,72.548 123.023,72.548 65.065,72.802 105.065,72.802 79.091,73.674 119.091,73.674 68.202,73.711 108.202,73.711 83.531,73.945 123.531,73.945 65.725,74.199 105.725,74.199 57.927,74.707 97.927,74.707 61.28,74.732 101.28,74.732 70.297,75.011 110.297,75.011 72.558,75.037 112.558,75.037 65.293,75.24 105.293,75.24 77.429,75.262 117.429,75.262 69.701,75.647 109.701,75.647 62.322,75.799 102.322,75.799 81.448,76.053 121.448,76.053 69.764,76.459 109.764,76.459 68.011,77.602 108.011,77.602 68.875,78.364 108.875,78.364 74.615,78.847 114.615,78.847 65.878,79.482 105.878,79.482 66.995,79.533 106.995,79.533 70.043,80.244 110.043,80.244 70.881,80.396 110.881,80.396 67.046,80.625 107.046,80.625 70.653,81.539 110.653,81.539 75.885,82.835 115.885,82.835 70.78,83.038 110.78,83.038 70.145,83.241 110.145,83.241 77.308,83.343 117.308,83.343 70.653,85.883 110.653,85.883 65.624,86.111 105.624,86.111 72.253,86.213 112.253,86.213 77.435,87.102 117.435,87.102 68.011,87.432 108.011,87.432 82.083,89.439 122.083,89.439 58.918,89.896 98.918,89.896 79.467,90.429 119.467,90.429 68.164,91.826 108.164,91.826 69.815,91.852 109.815,91.852 59.502,92.487 99.502,92.487 60.29,93.452 100.29,93.452 62.423,93.909 102.423,93.909 75.022,94.087 115.022,94.087 63.363,94.722 103.363,94.722 73.523,94.925 113.523,94.925 72.075,95.001 112.075,95.001 67.808,100.564 107.808,100.564 77.384,101.097 117.384,101.097 52.238,103.79 92.238,103.79 89.418,104.382 129.418,104.382 86.802,105.677 126.802,105.677 53.355,105.872 93.355,105.872 55.21,106.076 95.21,106.076 51.476,106.304 91.476,106.304

## Polygon pours and split planes (outlines as drawn)
no net on Bottom Layer "Top Layer-No Net" (solid, remove dead copper, pour order 20): 90.397,111.212 91.723,109.886 132.363,109.886 132.363,45.37 132.617,45.116 132.109,45.624 90.139,45.624
no net on Bottom Layer "Top Layer-No Net" (solid, remove dead copper, pour order 16): 50.397,111.212 51.723,109.886 92.363,109.886 92.363,45.37 92.617,45.116 92.109,45.624 50.139,45.624
no net on Top Layer "Top Layer-No Net" (solid, remove dead copper, pour order 22): 90.432,111.498 90.686,111.244 131.326,111.244 131.326,46.728 131.58,46.474 131.072,46.982 90.178,46.982
no net on Top Layer "Top Layer-No Net" (solid, remove dead copper, pour order 18): 50.432,111.498 50.686,111.244 91.326,111.244 91.326,46.728 91.58,46.474 91.072,46.982 50.178,46.982

## Keep-outs
Keep-Out Layer:
  lines w0.013: 67.183,45 67.183,47.6 ; 69,102.723 69,110 ; 72.558,102.723 72.558,109.558 72.558,109.997 ; 74.092,44.983 74.092,47.574 ; 107.061,45 107.061,47.6 ; 109.005,102.723 109.005,110 ; 112.563,102.723 112.563,109.558 112.563,109.997 ; 113.97,44.983 113.97,47.574 ; 40,40 40,120 140,120 140,40 40,40 ; 45,45 45,110 50,110 135,110 135,45 45,45
  lines w0.02: 53.621,66.116 cw(c70.653,64.371) 61.844,79.052 ; 53.827,67.537 ccw(c70.653,64.369) 87.658,66.36 ; 57.057,103.471 cw(c58.714,100.503) 61.206,98.192 ccw(c63.894,96.848) 61.808,94.684 ; 57.061,103.467 cw(c54.453,105.949) 57.944,106.829 cw(c59.474,100.632) 65.733,101.886 ; 61.801,94.677 ccw(c61.777,90.943) 61.854,87.21 61.854,79.061 ; 65.726,101.885 67.986,101.885 68.824,102.723 72.558,102.723 73.396,101.885 75.579,101.885 ; 75.573,101.886 cw(c81.832,100.632) 83.362,106.829 cw(c86.853,105.949) 84.27,103.441 ; 79.533,79.009 cw(c70.653,64.371) 87.681,66.156 ; 79.543,79.025 79.543,87.28 ccw(c79.527,91.013) 79.552,94.747 ; 79.556,94.743 ccw(c77.412,96.848) 80.087,98.216 ; 80.091,98.22 cw(c82.591,100.503) 84.271,103.443 ; 93.621,66.116 cw(c110.653,64.371) 101.844,79.052 ; 93.827,67.537 ccw(c110.653,64.369) 127.658,66.36 ; 97.057,103.471 cw(c98.714,100.503) 101.206,98.192 ccw(c103.894,96.848) 101.808,94.684 ; 97.061,103.467 cw(c94.453,105.949) 97.944,106.829 cw(c99.474,100.632) 105.733,101.886 ; 101.801,94.677 ccw(c101.777,90.943) 101.854,87.21 101.854,79.061 ; 105.726,101.885 107.986,101.885 108.824,102.723 112.558,102.723 113.396,101.885 115.579,101.885 ; 108.829,102.723 112.563,102.723 ; 115.573,101.886 cw(c121.832,100.632) 123.362,106.829 cw(c126.853,105.949) 124.27,103.441 ; 119.533,79.009 cw(c110.653,64.371) 127.681,66.156 ; 119.543,79.025 119.543,87.28 ccw(c119.527,91.013) 119.552,94.747 ; 119.556,94.743 ccw(c117.412,96.848) 120.087,98.216 ; 120.091,98.22 cw(c122.591,100.503) 124.271,103.443
  text "X" at 65.624,97.287 h0.76 r270
  text "X" at 105.624,97.287 h0.76 r270
  text "X" at 74.971,97.262 h0.76 r270
  text "X" at 114.971,97.262 h0.76 r270
  text "X" at 62.372,96.398 h0.76 r270
  text "X" at 78.222,96.398 h0.76 r270
  text "X" at 102.372,96.398 h0.76 r270
  text "X" at 118.222,96.398 h0.76 r270

## Other copper
Top Layer:
  text "39.7 (mm)" at 58.94,128.074 h1.52 r359.82
  text "39.7 (mm)" at 109.74,128.074 h1.52 r359.82

## Silkscreen, mask and mechanical layers (free items; w line width, h text height)
Top Overlay:
  text "CL" at 78.735,75.071 h0.76 r48
  text "CL" at 118.735,75.071 h0.76 r48
  text "G" at 79.544,73.895 h0.76 r48
  text "G" at 119.544,73.895 h0.76 r48
  text "IO" at 80.504,73.11 h0.76 r48
  text "IO" at 120.504,73.11 h0.76 r48
  text "V" at 80.48,72.51 h0.76 r228
  text "V" at 120.48,72.51 h0.76 r228
  text "-" at 55.337,66.579 h0.76
  text "-" at 95.337,66.579 h0.76
  text "JLCJLCJLCJLC" at 58.537,62.743 h1.4
  text "JLCJLCJLCJLC" at 98.537,62.743 h1.4
Bottom Overlay:
  drawing of 16 lines, arcs and shapes, not listed
  text "智尚1号" at 78.095,60.33 h3.5 r270
  text "智尚1号" at 118.095,60.33 h3.5 r270
  text "© Sanby 2017" at 56.048,59.111 h2.03 r270
  text "© Sanby 2017" at 96.048,59.111 h2.03 r270
  text "服务电话:18015670288" at 76.571,57.104 h1.7 r270
  text "服务电话:18015670288" at 116.571,57.104 h1.7 r270
  text "Designer By Sanby" at 58.131,56.52 h2.03 r270
  text "Designer By Sanby" at 98.131,56.52 h2.03 r270